# Altium PCB LoRaBoard.PcbDoc (part 2 of 2) (continued)
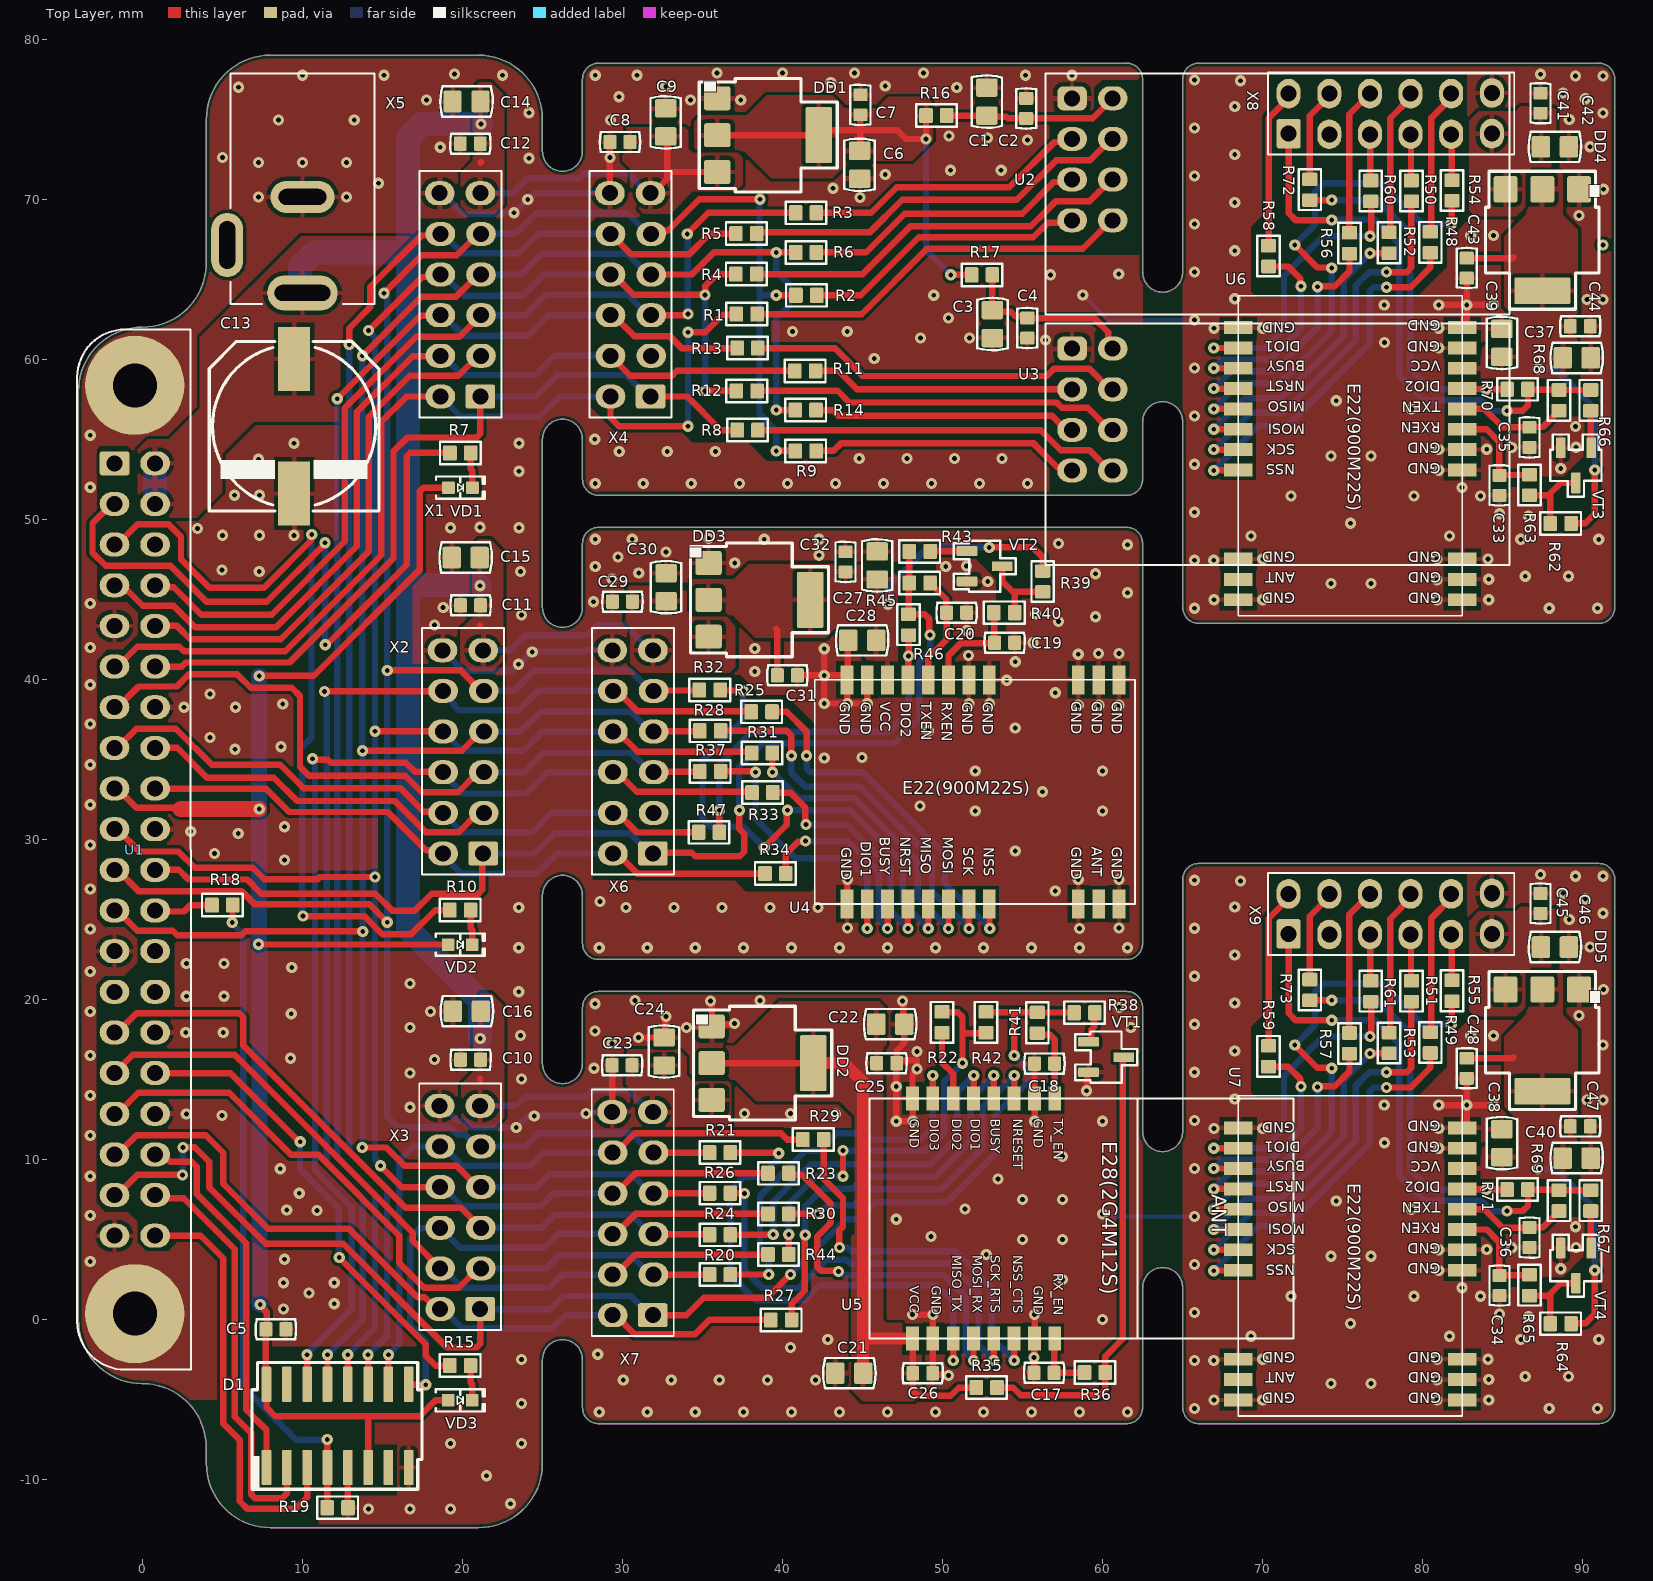
[diagram p0: Top Layer view]
## Nets (pads, with @x,y where several pads share a name; then routed paths per layer and width w, separated by ;. In a path a pad name is that pad's centre, name@x,y a point inside that pad or via, vN(x,y) a via of type N, cw(c..) or ccw(c..) an arc to the next point about the centre after c; other vN are vias at no path point) (continued)
NetR33_1: R33.1 U4.15 | length 15.6
  Top Layer w0.4: R33.1@39.393,32.924 40.497,32.924 41.427,31.994 41.427,30.967 v1(41.465,30.928) ; v1(47.832,24.444) U4.15@47.832,25.969
  Bottom Layer w0.4: v1(41.465,30.928) 43.123,30.928 44.015,30.928 46.743,28.2 46.743,25.533 v1(47.832,24.444)
NetR34_1: R34.1 U4.14 | length 13.4
  Top Layer w0.4: R34.1@40.202,27.869 40.202,29.094 40.965,29.858 41.401,29.858 v1(41.439,29.896) ; v1(46.562,24.444) U4.14@46.562,25.969
  Bottom Layer w0.4: v1(41.439,29.896) 44.078,29.896 46.012,27.962 46.012,24.994 v1(46.562,24.444)
NetR35_2: R35.2 R36.1 VT1.3 | length 28.3
  Top Layer w0.4: R35.2@53.4,-4.25 54.412,-4.25 54.889,-4.727 59.791,-4.727 60.166,-4.352 R36.1@60.166,-3.304 60.166,-2.302 61.266,-1.202 61.266,16.348 VT1.3@61.316,16.398
NetR37_1: R37.1 U4.13 | length 18.3
  Top Layer w0.4: R37.1@36.129,34.249 36.281,34.249 36.304,34.272 38.187,34.272 38.259,34.199 v1(38.313,34.199) ; v1(45.292,24.444) U4.13@45.292,25.969
  Bottom Layer w0.4: v1(38.313,34.199) 38.313,31.293 40.777,28.829 44.084,28.829 45.292,27.622 v1(45.292,24.444)
NetR38_2: R38.2 VT1.1 | length 2.1
  Top Layer w0.4: VT1.1@59.116,17.348 59.248,17.348 59.298,17.398 59.298,18.105 59.485,18.293 59.485,19.143 R38.2@59.516,19.173
NetR39_2: R39.2 R40.1 VT2.3 | length 5.1
  Top Layer w0.4: VT2.3@53.727,47.069 53.727,46.119 54.377,45.469 ; R40.1@54.502,44.169 54.502,45.344 54.377,45.469 ; R39.2@56.256,45.469 54.377,45.469
NetR43_2: R43.2 VT2.1 | length 2.3
  Top Layer w0.4: R43.2@49.217,47.994 49.229,48.007 51.514,48.007 VT2.1@51.527,48.019
NetR48_1: R48.1 U6.19 | length 23.2
  Top Layer w0.4: v1(66.944,53.048) 66.964,53.068 68.449,53.068 U6.19@68.469,53.088 ; v1(77.728,64.5) 79.242,64.5 80.474,65.732 R48.1@80.474,66.657
  Bottom Layer w0.4: v1(66.944,53.048) 69.761,55.865 71.582,55.865 76.697,60.981 76.697,64.266 76.932,64.5 v1(77.728,64.5)
NetR49_1: R49.1 U7.19 | length 23.2
  Top Layer w0.4: v1(66.944,3.048) 66.964,3.068 68.449,3.068 U7.19@68.469,3.088 ; v1(77.728,14.5) 79.242,14.5 80.474,15.732 R49.1@80.474,16.657
  Bottom Layer w0.4: v1(66.944,3.048) 69.761,5.866 71.582,5.866 76.697,10.981 76.697,14.266 76.932,14.5 v1(77.728,14.5)
NetR50_1: R50.1 U6.18 | length 24.7
  Top Layer w0.4: v1(66.944,54.358) U6.18@68.469,54.358 ; v1(77.73,65.448) 78.996,65.448 79.289,65.741 R50.1@79.289,69.871
  Bottom Layer w0.4: v1(66.944,54.358) 69.248,56.662 71.281,56.662 75.803,61.184 75.803,64.599 76.649,65.446 77.728,65.446 v1(77.73,65.448)
NetR51_1: R51.1 U7.18 | length 24.7
  Top Layer w0.4: v1(66.944,4.358) U7.18@68.469,4.358 ; v1(77.73,15.448) 78.996,15.448 79.289,15.741 R51.1@79.289,19.872
  Bottom Layer w0.4: v1(66.944,4.358) 69.248,6.662 71.281,6.662 75.803,11.184 75.803,14.6 76.649,15.446 77.728,15.446 v1(77.73,15.448)
NetR52_1: R52.1 U6.17 | length 19.1
  Top Layer w0.4: v1(66.944,55.628) U6.17@68.469,55.628 ; v1@76.697,66.631 R52.1@77.899,66.632
  Bottom Layer w0.4: v1(66.944,55.628) 68.874,57.558 71.133,57.558 75.062,61.488 75.062,64.954 76.696,66.588 v1(76.696,66.63)
NetR53_1: R53.1 U7.17 | length 19.1
  Top Layer w0.4: v1(66.944,5.628) U7.17@68.469,5.628 ; v1@76.697,16.631 R53.1@77.899,16.632
  Bottom Layer w0.4: v1(66.944,5.628) 68.874,7.559 71.133,7.559 75.062,11.488 75.062,14.954 76.696,16.588 v1(76.696,16.63)
NetR54_1: R54.1 U6.16 | length 32.9
  Top Layer w0.4: v1(66.944,56.898) U6.16@68.469,56.898 ; v1(72,67.148) 73.411,65.736 74.281,65.736 v1(74.319,65.698) ; v1(81.779,68.448) 81.804,68.473 81.804,69.871 R54.1@81.829,69.896
  Bottom Layer w0.4: v1(66.944,56.898) 68.539,58.493 71.055,58.493 74.319,61.757 v1(74.319,65.698) ; v1(72,67.148) 73.294,68.442 73.294,70.5 73.794,71 77.434,71 79.952,68.483 81.745,68.483 v1(81.779,68.448)
NetR55_1: R55.1 U7.16 | length 32.9
  Top Layer w0.4: v1(66.944,6.898) U7.16@68.469,6.898 ; v1(72,17.148) 73.411,15.737 74.281,15.737 v1(74.319,15.698) ; v1(81.779,18.448) 81.804,18.473 81.804,19.872 R55.1@81.829,19.897
  Bottom Layer w0.4: v1(66.944,6.898) 68.539,8.493 71.055,8.493 74.319,11.757 v1(74.319,15.698) ; v1(72,17.148) 73.294,18.443 73.294,20.5 73.794,21 77.434,21 79.952,18.483 81.745,18.483 v1(81.779,18.448)
NetR56_1: R56.1 U6.15 | length 15.6
  Top Layer w0.4: v1(66.944,58.168) U6.15@68.469,58.168 ; v1(73.428,64.535) 73.466,64.573 74.494,64.573 75.424,65.503 R56.1@75.424,66.607
  Bottom Layer w0.4: v1(66.944,58.168) 68.033,59.257 70.7,59.257 73.428,61.985 73.428,62.877 v1(73.428,64.535)
NetR57_1: R57.1 U7.15 | length 15.6
  Top Layer w0.4: v1(66.944,8.168) U7.15@68.469,8.168 ; v1(73.428,14.535) 73.466,14.573 74.494,14.573 75.424,15.503 R57.1@75.424,16.607
  Bottom Layer w0.4: v1(66.944,8.168) 68.033,9.257 70.7,9.257 73.428,11.985 73.428,12.877 v1(73.428,14.535)
NetR58_1: R58.1 U6.14 | length 13.4
  Top Layer w0.4: v1(66.944,59.438) U6.14@68.469,59.438 ; R58.1@70.369,65.798 71.594,65.798 72.357,65.035 72.357,64.599 v1(72.396,64.561)
  Bottom Layer w0.4: v1(66.944,59.438) 67.494,59.988 70.462,59.988 72.396,61.922 v1(72.396,64.561)
NetR59_1: R59.1 U7.14 | length 13.4
  Top Layer w0.4: v1(66.944,9.438) U7.14@68.469,9.438 ; R59.1@70.369,15.798 71.594,15.798 72.357,15.035 72.357,14.599 v1(72.396,14.561)
  Bottom Layer w0.4: v1(66.944,9.438) 67.494,9.988 70.462,9.988 72.396,11.922 v1(72.396,14.561)
NetR60_1: R60.1 U6.13 | length 18.3
  Top Layer w0.4: v1(66.944,60.708) U6.13@68.469,60.708 ; v1(76.699,67.687) 76.699,67.741 76.772,67.813 76.772,69.696 76.749,69.719 R60.1@76.749,69.871
  Bottom Layer w0.4: v1(66.944,60.708) 70.121,60.708 71.329,61.916 71.329,65.223 73.792,67.687 v1(76.699,67.687)
NetR61_1: R61.1 U7.13 | length 18.3
  Top Layer w0.4: v1(66.944,10.708) U7.13@68.469,10.708 ; v1(76.699,17.687) 76.699,17.741 76.772,17.814 76.772,19.697 76.749,19.719 R61.1@76.749,19.872
  Bottom Layer w0.4: v1(66.944,10.708) 70.121,10.708 71.329,11.916 71.329,15.224 73.792,17.687 v1(76.699,17.687)
NetR62_2: R62.2 R63.1 VT3.3 | length 5.1
  Top Layer w0.4: R63.1@86.669,51.498 87.844,51.498 87.969,51.623 ; R62.2@87.969,49.744 87.969,51.623 ; VT3.3@89.569,52.273 88.619,52.273 87.969,51.623
NetR64_2: R64.2 R65.1 VT4.3 | length 5.1
  Top Layer w0.4: R65.1@86.669,1.498 87.844,1.498 87.969,1.623 ; R64.2@87.969,-0.256 87.969,1.623 ; VT4.3@89.569,2.273 88.619,2.273 87.969,1.623
NetR66_2: R66.2 VT3.1 | length 2.3
  Top Layer w0.4: R66.2@90.494,56.783 90.506,56.771 90.506,54.486 VT3.1@90.519,54.473
NetR67_2: R67.2 VT4.1 | length 2.3
  Top Layer w0.4: R67.2@90.494,6.783 90.506,6.771 90.506,4.486 VT4.1@90.519,4.473
RX_EN_3: C19.2 R40.2 U4.6 | length 6.6
  Top Layer w0.4: U4.6@50.372,39.969 50.372,41.495 51.146,42.269 53.227,42.269 C19.2@53.252,42.294 53.227,42.319 53.227,44.144 R40.2@53.202,44.169
RX_EN_4: C17.2 R36.2 U5.8 | length 4.1
  Top Layer w0.4: C17.2@56.966,-3.377 57.027,-3.316 58.855,-3.316 R36.2@58.866,-3.304 ; U5.8@57.011,-1.177 56.988,-1.199 C17.2@56.988,-3.304 ; C17.2@56.988,-3.304 C17.2@56.966,-3.327 C17.2@56.988,-3.304
RX_EN_5: C34.2 R65.2 U7.6 | length 6.6
  Top Layer w0.4: U7.6@82.469,5.628 83.994,5.628 84.769,4.854 84.769,2.773 C34.2@84.794,2.748 84.819,2.773 86.644,2.773 R65.2@86.669,2.798
RX_EN_6: C33.2 R63.2 U6.6 | length 6.6
  Top Layer w0.4: U6.6@82.469,55.628 83.994,55.628 84.769,54.854 84.769,52.773 C33.2@84.794,52.748 84.819,52.773 86.644,52.773 R63.2@86.669,52.798
SCLK: R6.2 R14.2 R26.1 R28.2 U1.23 X1.7 X2.7 X3.7 X4.7 X6.7 X7.7 | length 154.5
  Top Layer w0.4: U1.23@-1.74,25.56 -1.565,25.56 -0.305,24.3 1.9,24.3 2.184,24.016 6.176,24.016 6.423,24.263 13.755,24.263 v1(13.772,24.246) ; v1(13.736,10.751) 15.249,10.751 16.379,9.621 19.631,9.621 20.975,8.277 X3.7@21.15,8.277 ; v1(13.747,35.539) 19.96,35.539 21.16,36.739 X2.7@21.335,36.739 ; v1(13.753,60.226) 17.433,63.906 19.595,63.906 20.985,65.296 X1.7@21.16,65.296 ; X4.7@31.793,65.296 34.333,65.296 35.718,66.681 v1(39.613,66.681) R6.2@40.818,66.681 ; X7.7@31.931,7.893 31.933,7.896 35.463,7.896 R26.1@35.466,7.898 ; X6.7@31.942,36.739 31.967,36.764 34.804,36.764 R28.2@34.829,36.789 ; v1(39.613,56.826) R14.2@40.793,56.826
  Bottom Layer w0.4: v1(13.736,10.751) 13.754,10.769 13.754,24.228 13.781,24.255 13.781,35.505 v1(13.747,35.539) 13.747,60.22 v1(13.753,60.226) ; X3.7@21.15,8.277 24.602,8.277 25.419,9.093 30.556,9.093 31.756,7.893 X7.7@31.931,7.893 ; X1.7@21.16,65.296 23.661,65.296 24.961,66.596 30.318,66.596 31.618,65.296 X4.7@31.793,65.296 ; X2.7@21.335,36.739 23.627,36.739 24.874,37.986 30.52,37.986 31.767,36.739 X6.7@31.942,36.739 ; v1(39.613,56.826) 39.613,62.537 40.395,63.319 40.395,63.652 40.413,63.67 40.413,64.332 40.395,64.35 40.395,64.707 39.613,65.489 v1(39.613,66.681)
SCLK_5: R51.2 X9.7 | length 2.9
  Top Layer w0.4: X9.7@79.239,24.058 79.264,24.033 79.264,21.197 R51.2@79.289,21.172
SCLK_6: R50.2 X8.7 | length 2.9
  Top Layer w0.4: X8.7@79.239,74.058 79.264,74.033 79.264,71.196 R50.2@79.289,71.171
SPI_CE0: R18.2 U1.24 | length 3.7
  Top Layer w0.4: U1.24@0.8,25.56 0.86,25.5 2.6,25.5 3,25.9 R18.2@4.35,25.9
SS1: D1.1 U1.36 | length 23.5
  Top Layer w0.4: U1.36@0.8,10.32 1.273,10.32 1.733,9.859 3.092,9.859 3.405,9.546 3.405,7.848 6.482,4.77 6.482,-5.622 7.757,-6.897 D1.1@7.757,-9.242
SS2: D1.2 U1.38 | length 26.2
  Top Layer w0.4: U1.38@0.8,7.78 1.003,7.577 2.591,7.577 5.777,4.391 5.777,-6.067 6.803,-7.093 6.803,-10.928 7.037,-11.163 8.734,-11.163 9.027,-10.87 D1.2@9.027,-9.242
SS4: D1.3 U1.40 | length 27
  Top Layer w0.4: U1.40@0.8,5.24 3.642,5.24 5.054,3.827 5.054,-6.491 6.09,-7.527 6.09,-11.342 6.576,-11.828 9.56,-11.828 10.297,-11.092 D1.3@10.297,-9.242
TX_EN_3: C20.1 R45.2 U4.7 | length 7
  Top Layer w0.4: U4.7@49.102,39.969 49.102,41.344 50.252,42.494 C20.1@50.252,44.169 50.227,44.194 50.227,45.009 49.442,45.794 49.392,45.794 49.217,45.969 R45.2@49.217,46.019
TX_EN_4: C18.1 R41.2 U5.9 | length 5
  Top Layer w0.4: R41.2@55.916,17.898 56.02,17.794 56.723,17.794 57.016,17.502 57.016,16.198 56.991,16.173 C18.1@56.991,15.998 57.001,15.988 57.001,13.833 U5.9@57.011,13.823
TX_EN_5: C36.1 R69.2 U7.7 | length 7
  Top Layer w0.4: U7.7@82.469,6.898 83.844,6.898 84.994,5.748 C36.1@86.669,5.748 86.693,5.773 87.508,5.773 88.294,6.558 88.294,6.608 88.469,6.783 R69.2@88.519,6.783
TX_EN_6: C35.1 R68.2 U6.7 | length 7
  Top Layer w0.4: U6.7@82.469,56.898 83.844,56.898 84.994,55.748 C35.1@86.669,55.748 86.693,55.773 87.508,55.773 88.294,56.558 88.294,56.608 88.469,56.783 R68.2@88.519,56.783
pads on no net: D1.7 D1.15 U1.1 U1.26 U1.27 U1.28 U4.21 U6.21 U7.21 X4.3 X5.3 X6.3 X8.3 X9.3
copper on no net:
  other v1: 91.257,67.148

## Polygon pours and split planes (outlines as drawn)
GND on Top Layer "GND_L01_P021" (solid, remove dead copper, pour order 21): 66,78.5 91,78.5 cw(c91,77.5) 92,77.5 92,44.5 cw(c91,44.5) 91,43.5 66,43.5 cw(c66,44.5) 65,44.5 65,77.5 cw(c66,77.5)
3V3_6 on Top Layer "3V3_6_L01_P019" (solid, remove dead copper, pour order 19): 85.6,62.8 85.927,62.473 85.927,60.9 83.9,60.9 83.7,60.7 83.7,60.3 83.4,60 81.5,60 81.3,59.8 81.3,59 81.5,58.8 89.1,58.8 89.4,59.1 89.4,60.9 89.7,61.2 89.7,68.1 88.757,69.043 88.757,71.619 88.676,71.7 86.7,71.7 86.5,71.5 86.5,69.1 85.1,67.7 85.1,63.3
5V0_6 on Top Layer "5V0_6_L01_P018" (solid, remove dead copper, pour order 18): 83.25,68.95 85.85,68.95 86.4,69.5 86.4,71.6 86.8,72 88.08,72 88.337,72.257 88.337,75.563 88.1,75.8 86.1,75.8 85.8,75.5 83.5,75.5 82.9,74.9 82.9,69.3
5V0_5 on Top Layer "5V0_5_L01_P014" (solid, remove dead copper, pour order 14): 83.25,18.95 85.85,18.95 86.4,19.5 86.4,21.6 86.8,22 88.08,22 88.337,22.257 88.337,25.563 88.1,25.8 86.1,25.8 85.8,25.5 83.5,25.5 82.9,24.9 82.9,19.3
3V3_5 on Top Layer "3V3_5_L01_P015" (solid, remove dead copper, pour order 15): 85.6,12.8 85.927,12.473 85.927,10.9 83.9,10.9 83.7,10.7 83.7,10.3 83.4,10 81.5,10 81.3,9.8 81.3,9 81.5,8.8 89.1,8.8 89.4,9.1 89.4,10.9 89.7,11.2 89.7,18.1 88.757,19.043 88.757,21.619 88.676,21.7 86.7,21.7 86.5,21.5 86.5,19.1 85.1,17.7 85.1,13.3
GND on Top Layer "GND_L01_P017" (solid, remove dead copper, pour order 17): 66,28.5 91,28.5 cw(c91,27.5) 92,27.5 92,-5.5 cw(c91,-5.5) 91,-6.5 66,-6.5 cw(c66,-5.5) 65,-5.5 65,27.5 cw(c66,27.5)
5V0 on Top Layer "5V0_L01_P003" (solid, remove dead copper, pour order 3): 4.95,51.65 5,51.7 5,54.1 6.99,56.09 12.371,56.09 12.371,60.687 17.587,65.903 17.587,67.7 9.919,67.7 3.6,61.381 3.6,56.952 1.648,55 0.334,55 -0.3,54.366 -0.3,50.8 0.4,50.1 3.4,50.1
5V0 on Top Layer "5V0_L01_P006" (solid, remove dead copper, pour order 6): 37.05,40.75 37.05,43.35 36.5,43.9 34.4,43.9 34,44.3 34,45.58 33.743,45.837 30.437,45.837 30.2,45.6 30.2,43.6 30.5,43.3 30.5,41 31.1,40.4 36.7,40.4
GND on Top Layer "GND_L01_P013" (solid, remove dead copper, pour order 13): 4,-9 4,-8 ccw(c0,-8) 0,-4 cw(c0,0) -4,0 -4,58 cw(c0,58) 0,62 ccw(c-0.005,66.005) 4,66.01 4,75 cw(c8,75) 8,79 21,79 cw(c21,75) 25,75 25,73 ccw(c26.25,73) 27.5,73 27.5,77.5 cw(c28.5,77.5) 28.5,78.5 61.5,78.5 cw(c61.5,77.5) 62.5,77.5 62.5,52.5 cw(c61.5,52.5) 61.5,51.5 28.5,51.5 cw(c28.5,52.5) 27.5,52.5 27.5,55 ccw(c26.25,55) 25,55 25,44.5 ccw(c26.25,44.5) 27.5,44.5 27.5,48.5 cw(c28.5,48.5) 28.5,49.5 61.5,49.5 cw(c61.5,48.5) 62.5,48.5 62.5,23.5 cw(c61.5,23.5) 61.5,22.5 28.5,22.5 cw(c28.5,23.5) 27.5,23.5 27.5,26.505 ccw(c26.25,26.503) 25,26.5 25,16 ccw(c26.25,16) 27.5,16 27.5,15.985 27.5,19.5 cw(c28.5,19.5) 28.5,20.5 61.5,20.5 cw(c61.5,19.5) 62.5,19.5 62.5,-5.5 cw(c61.5,-5.5) 61.5,-6.5 28.5,-6.5 cw(c28.5,-5.5) 27.5,-5.5 27.5,-2.5 ccw(c26.25,-2.5) 25,-2.5 25,-9 cw(c21,-9) 21,-13 8,-13 cw(c8,-9)
3V3_3 on Top Layer "3V3_3_L01_P008" (solid, remove dead copper, pour order 8): 43.2,43.1 43.527,43.427 45.1,43.427 45.1,41.4 45.3,41.2 45.7,41.2 46,40.9 46,39 46.2,38.8 47,38.8 47.2,39 47.2,46.6 46.9,46.9 45.1,46.9 44.8,47.2 37.9,47.2 36.957,46.257 34.381,46.257 34.3,46.176 34.3,44.2 34.5,44 36.9,44 38.3,42.6 42.7,42.6
5V0 on Top Layer "5V0_L01_P012" (solid, remove dead copper, pour order 12): 20.552,19.873 21.052,20.373 21.817,20.373 22.252,19.937 22.617,19.573 22.617,12.617 21.999,12 20.589,12 19.917,12.673 19.917,14.718 20.672,15.473 20.672,18.249 20.572,18.349
5V0 on Top Layer "5V0_L01_P011" (solid, remove dead copper, pour order 11): 20.5,48.257 21,48.757 21.765,48.757 22.2,48.322 22.565,47.957 22.565,41.157 21.907,40.5 20.422,40.5 19.865,41.057 19.865,43.102 20.62,43.857 20.62,46.634 20.52,46.734
5V0 on Top Layer "5V0_L01_P010" (solid, remove dead copper, pour order 10): 20.535,76.8 21.035,77.3 21.8,77.3 22.235,76.865 22.6,76.5 22.6,69.7 22,69.1 20.4,69.1 19.9,69.6 19.9,71.645 20.655,72.4 20.655,75.176 20.555,75.276
3V3_4 on Top Layer "3V3_4_L01_P009" (solid, remove dead copper, pour order 9): 34.7,15 34.4,15.3 34.4,16.8 34.7,17.1 37,17.1 39.8,19.9 46,19.9 46.5,19.4 46.5,17.2 46.3,17 46.3,0 46.5,-0.2 48.4,-0.2 48.7,-0.5 48.7,-4.6 48.2,-5.1 45,-5.1 44.3,-4.4 44.3,5.2 44.5,5.4 44.5,12.7 43.568,13.632 38.368,13.632 37,15
5V0 on Top Layer "5V0_L01_P007" (solid, remove dead copper, pour order 7): 36.8,11.85 36.8,14.7 36.6,14.9 34.4,14.9 34,15.3 34,16.4 33.5,16.9 30.4,16.9 30.2,16.7 30.2,14.7 30.7,14.2 30.7,12.4 31.25,11.85
NetC6_2 on Top Layer "NETC6_2_L01_P004" (solid, remove dead copper, pour order 4): 34.713,73 34.477,73.237 34.477,74.851 34.887,75.262 37.762,75.262 39,76.5 43.1,76.5 43.9,75.7 45.9,75.7 46.6,76.4 49,76.4 49.4,76 49.4,73.7 48.1,72.4 44.2,72.4 43.1,71.3 39.3,71.3 37.6,73
5V0 on Top Layer "5V0_L01_P001" (solid, remove dead copper, pour order 1): 31.3,69.1 30.5,69.9 30.5,71.9 30,72.4 30,74.2 30.3,74.5 33.9,74.5 34.1,74.3 34.1,73.2 34.4,72.9 37.2,72.9 37.5,72.6 37.5,70.9 37.1,70.5 34.4,70.5 33,69.1
GND on Bottom Layer "GND_L02_P005" (solid, remove dead copper, pour order 5): 4,-9 4,-8 ccw(c0,-8) 0,-4 cw(c0,0) -4,0 -4,58 cw(c0,58) 0,62 ccw(c-0.005,66.005) 4,66.01 4,75 cw(c8,75) 8,79 21,79 cw(c21,75) 25,75 25,73 ccw(c26.25,73) 27.5,73 27.5,77.5 cw(c28.5,77.5) 28.5,78.5 61.5,78.5 cw(c61.5,77.5) 62.5,77.5 62.5,52.5 cw(c61.5,52.5) 61.5,51.5 28.5,51.5 cw(c28.5,52.5) 27.5,52.5 27.5,55 ccw(c26.25,55) 25,55 25,44.5 ccw(c26.25,44.5) 27.5,44.5 27.5,48.5 cw(c28.5,48.5) 28.5,49.5 61.5,49.5 cw(c61.5,48.5) 62.5,48.5 62.5,23.5 cw(c61.5,23.5) 61.5,22.5 28.5,22.5 cw(c28.5,23.5) 27.5,23.5 27.5,26.505 ccw(c26.25,26.503) 25,26.5 25,16 ccw(c26.25,16) 27.5,16 27.5,15.985 27.5,19.5 cw(c28.5,19.5) 28.5,20.5 61.5,20.5 cw(c61.5,19.5) 62.5,19.5 62.5,-5.5 cw(c61.5,-5.5) 61.5,-6.5 28.5,-6.5 cw(c28.5,-5.5) 27.5,-5.5 27.5,-2.5 ccw(c26.25,-2.5) 25,-2.5 25,-9 cw(c21,-9) 21,-13 8,-13 cw(c8,-9)
GND on Bottom Layer "GND_L02_P020" (solid, remove dead copper, pour order 20): 66,78.5 91,78.5 cw(c91,77.5) 92,77.5 92,44.5 cw(c91,44.5) 91,43.5 66,43.5 cw(c66,44.5) 65,44.5 65,77.5 cw(c66,77.5)
GND on Bottom Layer "GND_L02_P016" (solid, remove dead copper, pour order 16): 66,28.5 91,28.5 cw(c91,27.5) 92,27.5 92,-5.5 cw(c91,-5.5) 91,-6.5 66,-6.5 cw(c66,-5.5) 65,-5.5 65,27.5 cw(c66,27.5)

## Keep-outs
Keep-Out Layer:
  the board outline again, w0.009

## Other copper
Top Layer:
  pour cut-out: 70.369,69.383 69.272,68.286 69.272,64.216 69.556,63.932 79.641,63.932 81.5,65.79 81.5,67.391 82.75,68.641 82.755,75.044 82.75,77.871 70.369,77.871
  pour cut-out: 85.7,61.4 84.294,61.4 84.034,61.139 84.034,60.739 85.699,60.739 85.701,60.741
  pour cut-out: 88.538,74.251 88.024,74.251 88.024,71.904 88.543,71.904
  pour cut-out: 89.83,58.855 89.83,59.683 89.763,59.75 89.478,59.75 89.397,59.668 89.397,59.288 88.456,58.347 88.456,56.721 87.484,55.748 84.994,55.748 84.769,55.523 84.769,52.544 85.269,52.044 89.957,52.044 90.316,52.403 90.316,53.618 90.014,53.883 89.974,53.883 88.772,52.681 85.847,52.681 85.177,53.351 85.177,55.439 87.692,55.439 88.656,56.403 90.262,56.403 90.262,58.422
  pour cut-out: 89.83,8.855 89.83,9.683 89.763,9.75 89.478,9.75 89.397,9.669 89.397,9.288 88.456,8.347 88.456,6.721 87.484,5.748 84.994,5.748 84.769,5.523 84.769,2.544 85.269,2.044 89.957,2.044 90.316,2.403 90.316,3.618 90.014,3.883 89.974,3.883 88.772,2.681 85.847,2.681 85.177,3.351 85.177,5.439 87.692,5.439 88.656,6.403 90.262,6.403 90.262,8.422
  pour cut-out: 88.537,24.252 88.024,24.252 88.024,21.904 88.543,21.904
  pour cut-out: 85.7,11.4 84.294,11.4 84.034,11.139 84.034,10.739 85.699,10.739 85.701,10.741
  pour cut-out: 70.369,19.384 69.272,18.286 69.272,14.216 69.556,13.932 79.641,13.932 81.5,15.79 81.5,17.391 82.75,18.641 82.755,25.044 82.75,27.872 70.369,27.872
  pour cut-out: 37.004,12 44.325,12 44.325,11.328 37.005,11.328
  pour cut-out: -0.448,50.002 -0.451,49.999 -0.451,47.17 2.07,47.17 2.099,47.156 2.099,39.952 2.116,39.935 2.052,39.872 -0.631,39.872 -0.631,37.1 2.029,37.1 2.029,32.193 -0.608,32.193 -0.608,29.627 2.039,29.627 2.039,19.506 2.104,19.427 -0.62,19.427 -0.614,16.74 2.184,16.74 2.184,13.93 2.129,13.984 -0.615,13.984 -0.609,11.778 2.184,11.778 2.184,4.832 1.613,4.262 0.248,4.262 -0.33,4.84 -0.333,6.137 -0.901,6.706 -2.309,6.706 -2.892,7.288 -2.892,20.95 -2.35,21.491 -1.127,21.491 -0.333,22.286 -0.333,23.75 -1.11,24.528 -2.356,24.528 -2.86,25.031 -2.86,41.21 -2.188,41.882 -1.217,41.882 -0.303,42.796 -0.295,44.154 -0.974,44.833 -2.668,44.833 -2.86,45.025 -2.86,54.378 -2.644,54.594 -0.911,54.594 -0.448,54.132
  pour cut-out: 11.026,-10.992 11.026,-12.98 11.006,-13 7.069,-13 4.148,-10.079 4.148,-6.325 2.816,-4.993 5.054,-4.993 5.054,-5.074 7.757,-7.769 15.918,-7.775 15.918,-10.991
  pour cut-out: 6.904,-1.664 17.344,-1.665 17.344,-5.507 6.885,-5.514
  pour cut-out: 19.53,-5.384 20.172,-5.384 20.172,-2.173 20.184,-2.161 19.512,-2.161
  pour cut-out: 19.526,22.855 20.167,22.855 20.167,26.066 20.18,26.078 19.508,26.078
  pour cut-out: 20.004,75.17 20.518,75.17 20.518,76.996 19.999,76.996
  pour cut-out: 20.026,18.374 20.54,18.374 20.54,20.201 20.021,20.201
  pour cut-out: 19.923,46.674 20.437,46.674 20.437,48.5 19.918,48.5
  pour cut-out: 19.549,51.394 20.191,51.394 20.191,54.605 20.203,54.618 19.531,54.618
  pour cut-out: 17.529,68.803 22.577,68.803 22.577,56.426 17.349,56.426 17.347,68.797
  pour cut-out: 15.928,32.567 14.703,31.341 14.703,26.458 15.411,25.75 19.514,25.75 21.649,27.885 22.752,27.885 22.752,40.246 17.522,40.246 16.888,40.88 16.888,45.886 15.928,44.926
  pour cut-out: 17.519,11.784 22.567,11.784 22.567,-0.593 17.339,-0.593 17.337,11.778
  pour cut-out: 28.3,11.4 33.348,11.4 33.348,-0.977 28.12,-0.977 28.118,11.394
  pour cut-out: 57.069,74.96 56.652,74.543 56.652,66.493 62.485,66.493 62.485,77.473 59.964,77.473 59.452,76.962 59.452,74.96
  pour cut-out: 57.084,59.689 56.667,59.273 56.667,51.5 61.5,51.5 62.5,52.5 62.5,62.203 59.979,62.203 59.467,61.691 59.467,59.689
  pour cut-out: 44.083,72.021 44.089,72.027 44.089,72.316 45.591,72.316 45.593,72.318 45.595,72.315 45.595,72.018
  pour cut-out: 31.892,74.617 31.898,74.623 31.898,74.913 33.4,74.913 33.402,74.914 33.404,74.912 33.404,74.614
  pour cut-out: 52.368,62.081 52.374,62.086 52.374,62.376 53.876,62.376 53.877,62.377 53.88,62.375 53.88,62.077
  pour cut-out: 52.007,75.937 52.013,75.943 52.013,76.232 53.515,76.232 53.517,76.234 53.519,76.231 53.519,75.934
  pour cut-out: 40.253,53.628 39.015,53.628 37.866,54.777 34.358,54.777 33.685,55.45 29.556,55.45 27.98,57.026 27.98,68.505 28.355,68.878 32.648,68.878 34.504,67.022 34.504,57.848 34.726,57.848 36.554,56.02 40.253,56.02
  pour cut-out: 39.005,62.499 39.01,62.493 39.3,62.493 39.3,60.991 39.301,60.989 39.299,60.987 39.001,60.987
  pour cut-out: 44.6,43.2 44.6,41.795 44.861,41.534 45.261,41.534 45.261,43.199 45.259,43.201
  pour cut-out: 31.749,46.038 31.749,45.524 34.096,45.524 34.096,46.044
  pour cut-out: 47.145,47.33 46.317,47.33 46.25,47.263 46.25,46.979 46.332,46.897 46.712,46.897 47.653,45.957 49.279,45.957 50.252,44.984 50.252,42.494 50.477,42.269 53.456,42.269 53.956,42.77 53.956,47.458 53.597,47.817 52.382,47.817 52.117,47.514 52.117,47.474 53.319,46.272 53.319,43.347 52.649,42.677 50.561,42.677 50.561,45.192 49.597,46.157 49.597,47.763 47.578,47.763
  pour cut-out: 37.008,27.478 37.714,26.772 41.784,26.772 42.068,27.056 42.068,37.142 40.21,39 38.609,39 37.359,40.25 30.956,40.256 28.152,40.25 28.152,27.478
Bottom Layer:
  pour cut-out: 70.4,77.9 70.369,77.869 70.369,72.641 85.559,72.641 85.512,72.688 85.512,75.118 85.43,75.2 83.2,75.2 83.2,77.837 83.206,77.843
  pour cut-out: 70.4,27.9 70.369,27.869 70.369,22.641 85.559,22.641 85.512,22.688 85.512,25.118 85.43,25.2 83.2,25.2 83.2,27.837 83.206,27.843
  pour cut-out: -0.448,50.002 -0.47,49.98 -0.47,47.1 2.079,47.1 2.099,47.091 2.099,39.952 2.116,39.935 2.052,39.872 -0.631,39.872 -0.631,37.1 2.029,37.1 2.029,32.193 -0.608,32.193 -0.608,29.627 2.039,29.627 2.039,19.506 2.104,19.427 -0.62,19.427 -0.614,16.74 2.184,16.74 2.184,13.93 2.129,13.984 -0.615,13.984 -0.609,11.778 2.184,11.778 2.184,4.832 1.613,4.262 0.248,4.262 -0.33,4.84 -0.333,6.137 -0.901,6.706 -2.309,6.706 -2.892,7.288 -2.892,20.95 -2.35,21.491 -1.127,21.491 -0.333,22.286 -0.333,23.75 -1.11,24.528 -2.356,24.528 -2.86,25.031 -2.86,41.21 -2.188,41.882 -1.217,41.882 -0.303,42.796 -0.295,44.154 -0.974,44.833 -2.668,44.833 -2.86,45.025 -2.86,54.378 -2.644,54.594 -0.911,54.594 -0.448,54.132
  pour cut-out: 46.5,7 46.508,6.992 46.508,4.563 46.315,4.563 46.329,4.576 46.329,7
  pour cut-out: 33.26,70.783 33.26,69.436 34.806,67.89 34.806,65.194 35.7,64.3 35.7,56.457 27.951,56.457 28.014,69.257 30.651,69.257 30.651,71.487 30.733,71.569 32.474,71.569
  pour cut-out: 57.176,74.796 56.667,74.287 56.667,67.231 61.691,67.231 62.5,68.04 62.5,77.448 60.019,77.448 59.503,76.932 59.503,74.796
  pour cut-out: 57.084,59.164 56.667,58.747 56.667,51.5 61.5,51.5 62.5,52.5 62.5,61.908 60.019,61.908 59.503,61.392 59.503,59.164
  pour cut-out: 17.318,56.457 17.349,56.426 22.577,56.426 22.577,71.616 22.53,71.569 20.1,71.569 20.018,71.487 20.018,69.257 17.381,69.257 17.375,69.263
  pour cut-out: 17.493,27.9 17.524,27.869 22.752,27.869 22.752,43.059 22.705,43.012 20.275,43.012 20.193,42.93 20.193,40.7 17.556,40.7 17.55,40.706
  pour cut-out: 17.308,-0.562 17.339,-0.593 22.567,-0.593 22.567,14.597 22.52,14.55 20.09,14.55 20.008,14.468 20.008,12.238 17.371,12.238 17.365,12.244
  pour cut-out: 28.089,-0.946 28.12,-0.977 33.348,-0.977 33.348,14.213 33.301,14.166 30.871,14.166 30.789,14.084 30.789,11.854 28.152,11.854 28.146,11.86
  pour cut-out: 28.1,27.9 28.131,27.869 33.359,27.869 33.359,43.059 33.312,43.012 30.882,43.012 30.8,42.93 30.8,40.7 28.163,40.7 28.157,40.706

## Silkscreen, mask and mechanical layers (free items; w line width, h text height)
Bottom Overlay:
  drawing of 132 lines, arcs and shapes, not listed
  text "nRF24L01 2.4GHz / MODULE ADAPTER" at 52.15,73.2 h1
  text "1" at 55.775,71.225 h2
  text "GND / CS / MOSI / NRST / DIO2 / BUSY" at 70.55,65.8 h1.42 r270
  text "5V / MISO / SCLK / DIO1 / NC / TXEN" at 70.5,58.1 h1.42 r270
  text "GND / CS1 / MOSI / CS2 / CE2 / IRQ1" at 40.05,56.625 h1.42
  text "5V / MISO / SCLK / CE1 / NC / IRQ2" at 47.75,56.575 h1.42
  text "2" at 55.775,55.675 h2
  text "nRF24L01+PA+LNA / nRF24L01" at 51.55,52.25 h1
  text "LED1 / IO2" at 24.375,51.375 h1.22
  text "GND / CS4 / MOSI / CS3 / IO4 / IO17" at 8.9,47.525 h1.42
  text "5V / MISO / SCLK / IO14 / IO15 / IO18" at 16.6,47.475 h1.42
  text "E220-400M22S /  E22-400M22S / E220-900M22S /  E22-900M22S" at 71.075,43.975 h1 r270
  text "E220-400M22S /  E22-400M22S / E220-900M22S /  E22-900M22S" at 61.8,28.475 h1
  text "GND / CS2 / MOSI / CS1 / IO22 / IO24" at 8.95,27.975 h1.42
  text "GND / CS / MOSI / NRST / DIO2 / BUSY" at 39.975,27.95 h1.42
  text "5V / MISO / SCLK / IO27 / IO23 / IO25" at 16.65,27.925 h1.42
  text "5V / MISO / SCLK / DIO1 / NC / TXEN" at 47.675,27.9 h1.42
  text "LED2 / IO3" at 24.25,22.225 h1.22
  text "GND / CS / MOSI / NRST / DIO2 / BUSY" at 70.525,15.925 h1.42 r270
  text "5V / MISO / SCLK / DIO1 / NC / TXEN" at 70.475,8.225 h1.42 r270
  text "E28-2G4M27S / E28-2G4M20S" at 61.7,3 h1
  text "GND / CS5 / MOSI / CS6 / IO6 / IO19" at 8.775,-0.35 h1.42
  text "5V / MISO / SCLK / IO5 / IO13 / IO26" at 16.475,-0.4 h1.42
  text "GND / CS / MOSI / NRST / DIO2 / BUSY" at 40.15,-0.875 h1.42
  text "5V / MISO / SCLK / DIO1 / DIO3 / TXEN" at 47.85,-0.925 h1.42
  text "LED3 / IO12" at 24.375,-5.775 h1.22
  text "E220-400M22S /  E22-400M22S / E220-900M22S /  E22-900M22S" at 71.05,-5.9 h1 r270
  text "IO16 / IO29 / IO21 / IO8" at 10.4,-10.725 h1.3
  text "SSC1 / SSC2 / SSC4 / SC" at 16.8,-10.8 h1.3
Board Outline:
  the board outline again, w0.009
Mechanical 12:
  lines w0.023: 0,62 ccw(c0,58) -4,58 -4,0 ccw(c0,0) 0,-4 cw(c0,-8) 4,-8 4,-9 ccw(c8,-9) 8,-13 21,-13 ccw(c21,-9) 25,-9 25,-2.5 cw(c26.25,-2.5) 27.5,-2.5 27.5,-5.5 ccw(c28.5,-5.5) 28.5,-6.5 61.5,-6.5 ccw(c61.5,-5.5) 62.5,-5.5 62.5,2 cw(c63.75,2) 65,2 65,-5.5 ccw(c66,-5.5) 66,-6.5 91,-6.5 ccw(c91,-5.5) 92,-5.5 92,27.5 ccw(c91,27.5) 91,28.5 66,28.5 ccw(c66,27.5) 65,27.5 65,11.75 cw(c63.75,11.75) 62.5,11.75 62.5,19.5 ccw(c61.5,19.5) 61.5,20.5 28.5,20.5 ccw(c28.5,19.5) 27.5,19.5 27.5,15.985 ; 0,62.01 ccw(c0,66.01) 4,66.01 4,75 cw(c8,75) 8,79 21,79 cw(c21,75) 25,75 25,73 ccw(c26.25,73) 27.5,73 27.5,77.5 cw(c28.5,77.5) 28.5,78.5 61.5,78.5 cw(c61.5,77.5) 62.5,77.5 62.5,65.448 ccw(c63.75,65.448) 65,65.448 65,77.5 cw(c66,77.5) 66,78.5 91,78.5 cw(c91,77.5) 92,77.5 92,44.5 cw(c91,44.5) 91,43.5 66,43.5 cw(c66,44.5) 65,44.5 65,56.1 ccw(c63.75,56.1) 62.5,56.1 62.5,52.5 cw(c61.5,52.5) 61.5,51.5 28.5,51.5 cw(c28.5,52.5) 27.5,52.5 27.5,55 ccw(c26.25,55) 25,55 ; 25,16 ccw(c26.25,16) 27.5,16 ; 25,26.5 cw(c26.25,26.5) 27.5,26.5 ; 25,44.5 ccw(c26.25,44.5) 27.5,44.5 27.5,48.5 cw(c28.5,48.5) 28.5,49.5 61.5,49.5 cw(c61.5,48.5) 62.5,48.5 62.5,23.5 cw(c61.5,23.5) 61.5,22.5 28.5,22.5 cw(c28.5,23.5) 27.5,23.5 27.5,26.505 ; 25,16 25,26.505 ; 25,44.5 25,55

## Text inside footprints (layer, text, board x,y; h text height)
DD1: Bottom Assembly "4" at 41.471,74.326 h1.5 r270; Bottom Assembly "1" at 35.746,76.501 h1.5 r270; Bottom Assembly "2" at 35.721,74.351 h1.5 r270; Bottom Assembly "3" at 35.696,72.051 h1.5 r270
DD2: Bottom Assembly "3" at 35.343,14.073 h1.5 r270; Bottom Assembly "2" at 35.368,16.373 h1.5 r270; Bottom Assembly "1" at 35.393,18.523 h1.5 r270; Bottom Assembly "4" at 41.118,16.348 h1.5 r270
DD3: Bottom Assembly "4" at 40.927,45.294 h1.5 r270; Bottom Assembly "1" at 35.202,47.469 h1.5 r270; Bottom Assembly "2" at 35.177,45.319 h1.5 r270; Bottom Assembly "3" at 35.152,43.019 h1.5 r270
DD4: Bottom Assembly "4" at 87.794,65.073 h1.5 r180; Bottom Assembly "1" at 89.969,70.798 h1.5 r180; Bottom Assembly "2" at 87.819,70.823 h1.5 r180; Bottom Assembly "3" at 85.519,70.848 h1.5 r180
DD5: Bottom Assembly "4" at 87.794,15.073 h1.5 r180; Bottom Assembly "1" at 89.969,20.798 h1.5 r180; Bottom Assembly "2" at 87.819,20.823 h1.5 r180; Bottom Assembly "3" at 85.519,20.848 h1.5 r180
U4: Top Overlay "GND" at 52.494,38.616 h0.65 r270; Top Overlay "GND" at 51.215,38.616 h0.65 r270; Top Overlay "RXEN" at 49.936,38.616 h0.65 r270; Top Overlay "TXEN" at 48.657,38.616 h0.65 r270; Top Overlay "DIO2" at 47.378,38.616 h0.65 r270; Top Overlay "VCC" at 46.1,38.616 h0.65 r270; Top Overlay "GND" at 44.882,38.596 h0.65 r270; Top Overlay "GND" at 43.572,38.616 h0.65 r270; Top Overlay "GND" at 58.026,38.646 h0.65 r270; Top Overlay "GND" at 59.305,38.646 h0.65 r270; Top Overlay "GND" at 60.584,38.646 h0.65 r270; Top Overlay "GND" at 60.584,29.541 h0.65 r270; Top Overlay "ANT" at 59.305,29.541 h0.65 r270; Top Overlay "GND" at 58.026,29.541 h0.65 r270; Top Overlay "GND" at 43.673,29.525 h0.65 r270; Top Overlay "DIO1" at 44.882,29.872 h0.65 r270; Top Overlay "BUSY" at 46.086,30.16 h0.65 r270; Top Overlay "NRST" at 47.356,30.16 h0.65 r270; Top Overlay "MISO" at 48.626,30.16 h0.65 r270; Top Overlay "MOSI" at 50.023,30.16 h0.65 r270; Top Overlay "SCK" at 51.293,29.525 h0.65 r270; Top Overlay "NSS" at 52.563,29.525 h0.65 r270; Top Overlay "E22(900M22S)" at 47.483,32.827 h0.8
U5: Top Overlay "RX_EN" at 56.734,2.887 h1 r270; Top Overlay "VCC" at 47.717,2.125 h1 r270; Top Overlay "GND" at 49.114,2.125 h1 r270; Top Overlay "MISO_TX" at 50.384,4.03 h1 r270; Top Overlay "MOSI_RX" at 51.654,4.03 h1 r270; Top Overlay "SCK_RTS" at 52.797,4.03 h1 r270; Top Overlay "NSS_CTS" at 54.194,4.03 h1 r270; Top Overlay "GND" at 55.464,2.125 h1 r270; Top Overlay "GND" at 55.464,12.539 h1 r270; Top Overlay "NRESET" at 54.194,12.539 h1 r270; Top Overlay "BUSY" at 52.797,12.539 h1 r270; Top Overlay "DIO1" at 51.527,12.539 h1 r270; Top Overlay "DIO2" at 50.384,12.539 h1 r270; Top Overlay "DIO3" at 48.987,12.539 h1 r270; Top Overlay "GND" at 47.717,12.539 h1 r270; Top Overlay "E28(2G4M12S)" at 59.655,11.142 h1.6 r270; Top Overlay "ANT" at 66.513,7.84 h1.6 r270; Top Overlay "TX_EN" at 56.734,12.539 h1 r270
U6: Top Overlay "GND" at 81.116,53.506 h0.65 r180; Top Overlay "GND" at 81.116,54.785 h0.65 r180; Top Overlay "RXEN" at 81.116,56.064 h0.65 r180; Top Overlay "TXEN" at 81.116,57.343 h0.65 r180; Top Overlay "DIO2" at 81.116,58.622 h0.65 r180; Top Overlay "VCC" at 81.116,59.9 h0.65 r180; Top Overlay "GND" at 81.096,61.118 h0.65 r180; Top Overlay "GND" at 81.116,62.428 h0.65 r180; Top Overlay "GND" at 81.146,47.974 h0.65 r180; Top Overlay "GND" at 81.146,46.695 h0.65 r180; Top Overlay "GND" at 81.146,45.416 h0.65 r180; Top Overlay "GND" at 72.041,45.416 h0.65 r180; Top Overlay "ANT" at 72.041,46.695 h0.65 r180; Top Overlay "GND" at 72.041,47.974 h0.65 r180; Top Overlay "GND" at 72.025,62.327 h0.65 r180; Top Overlay "DIO1" at 72.372,61.118 h0.65 r180; Top Overlay "BUSY" at 72.66,59.914 h0.65 r180; Top Overlay "NRST" at 72.66,58.644 h0.65 r180; Top Overlay "MISO" at 72.66,57.374 h0.65 r180; Top Overlay "MOSI" at 72.66,55.977 h0.65 r180; Top Overlay "SCK" at 72.025,54.707 h0.65 r180; Top Overlay "NSS" at 72.025,53.437 h0.65 r180; Top Overlay "E22(900M22S)" at 75.327,58.517 h0.8 r270
U7: Top Overlay "E22(900M22S)" at 75.327,8.517 h0.8 r270; Top Overlay "NSS" at 72.025,3.437 h0.65 r180; Top Overlay "SCK" at 72.025,4.707 h0.65 r180; Top Overlay "MOSI" at 72.66,5.977 h0.65 r180; Top Overlay "MISO" at 72.66,7.374 h0.65 r180; Top Overlay "NRST" at 72.66,8.644 h0.65 r180; Top Overlay "BUSY" at 72.66,9.914 h0.65 r180; Top Overlay "DIO1" at 72.372,11.118 h0.65 r180; Top Overlay "GND" at 72.025,12.327 h0.65 r180; Top Overlay "GND" at 72.041,-2.026 h0.65 r180; Top Overlay "ANT" at 72.041,-3.305 h0.65 r180; Top Overlay "GND" at 72.041,-4.584 h0.65 r180; Top Overlay "GND" at 81.146,-4.584 h0.65 r180; Top Overlay "GND" at 81.146,-3.305 h0.65 r180; Top Overlay "GND" at 81.146,-2.026 h0.65 r180; Top Overlay "GND" at 81.116,12.428 h0.65 r180; Top Overlay "GND" at 81.096,11.118 h0.65 r180; Top Overlay "VCC" at 81.116,9.901 h0.65 r180; Top Overlay "DIO2" at 81.116,8.622 h0.65 r180; Top Overlay "TXEN" at 81.116,7.343 h0.65 r180; Top Overlay "RXEN" at 81.116,6.064 h0.65 r180; Top Overlay "GND" at 81.116,4.785 h0.65 r180; Top Overlay "GND" at 81.116,3.506 h0.65 r180
X1: Bottom Assembly "1" at 21.31,58.176 h1.5 r180
X2: Bottom Assembly "1" at 21.485,29.619 h1.5 r180
X3: Bottom Assembly "1" at 21.3,1.157 h1.5 r180
X4: Bottom Assembly "1" at 31.943,58.176 h1.5 r180
X6: Bottom Assembly "1" at 32.092,29.619 h1.5 r180
X7: Bottom Assembly "1" at 32.081,0.773 h1.5 r180
X8: Bottom Assembly "1" at 72.119,73.908 h1.5 r90
X9: Bottom Assembly "1" at 72.119,23.908 h1.5 r90